# Altium PCB AutoinformerPCB.PcbDoc (part 1 of 2) (continued)
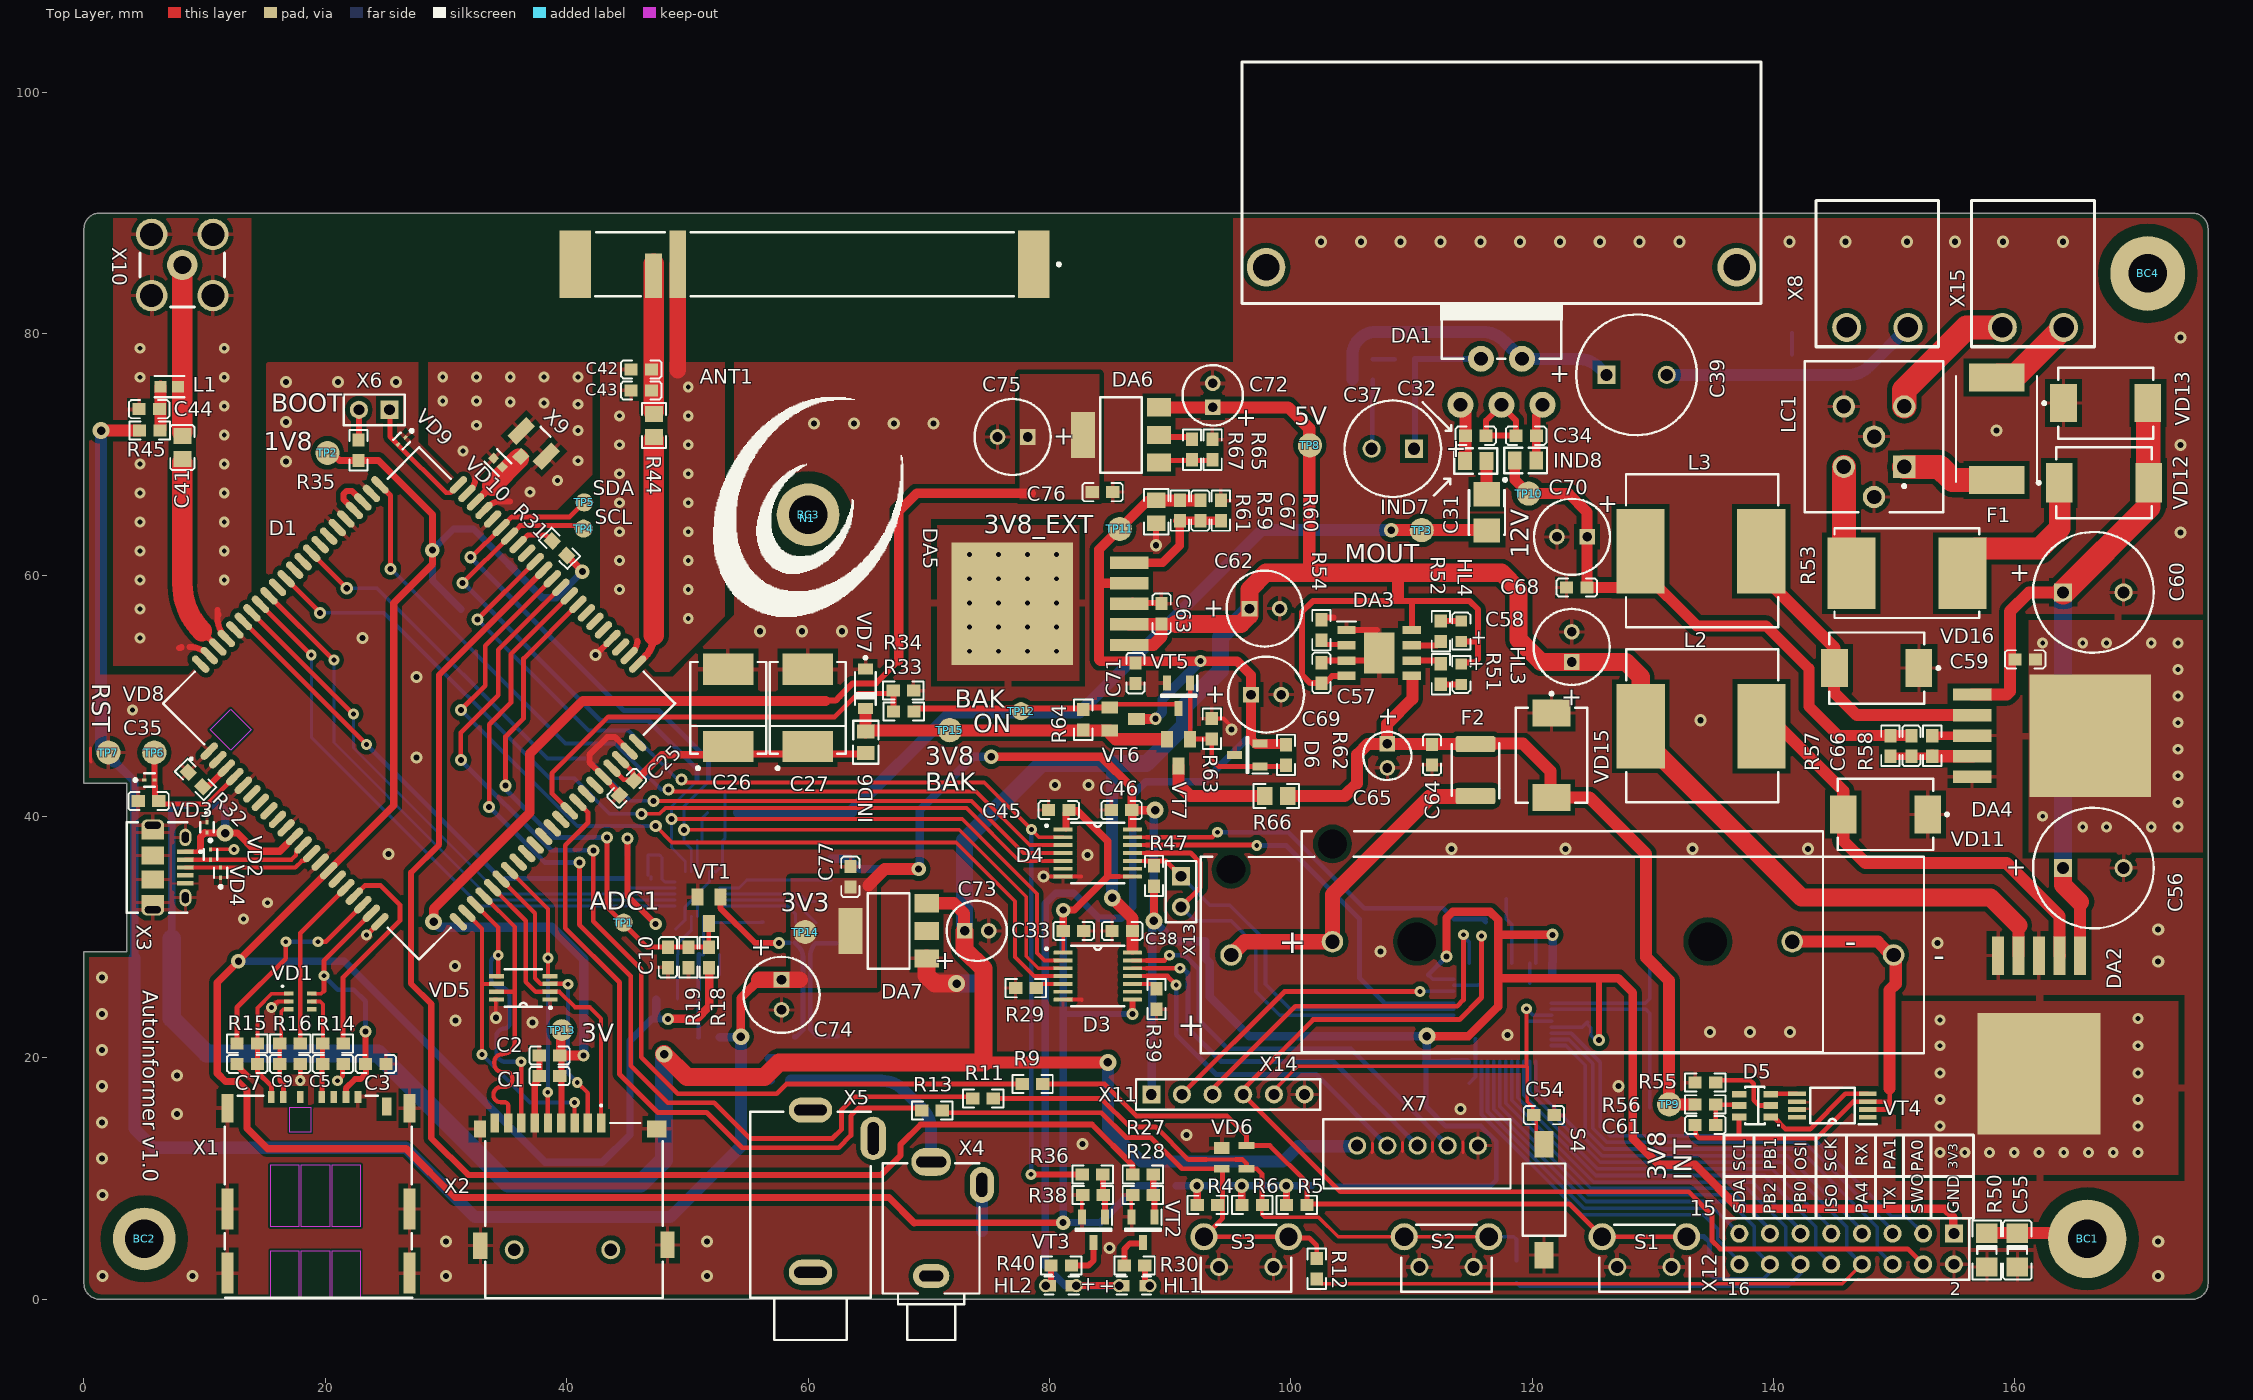
[diagram p0: Top Layer view]
## Part data (continued)
DA3: "Li-lon Battery Charger  1A Standalone Linear with Thermal Regulation in SOP-8", Manufacturer_Name="NanJing Top Power", ComponentLink1Description=elitan, ComponentLink1URL=https://www.elitan.ru/price/item26170288, ComponentLink2Description=electonshik, ComponentLink2URL=https://www.electronshik.ru/item/YOUTAI/TP4056, Datasheet Link=https://dlnmh9ip6v2uc.cloudfront.net/datasheets/Prototyping/TP4056.pdf, Height=1.75mm, Manufacturer_Part_Number=TP4056
DA4: library part LM2596S, "SIMPLE SWITCHER&#174; 4.5V to 40V, 3A Low Component Count Step-Down Regulator", ComponentLink1Description=chipdip, ComponentLink1URL=https://www.chipdip.ru/product/lm2596s-adj-nopb, ComponentLink2Description=elitan, ComponentLink2URL=https://www.elitan.ru/price/item100231
DA5: "3A Fast Response LDO Regulator / Operating Input Voltage Range: 3V to 16V / 1.24V to 15V Adjustable Output Voltage", ComponentLink1Description=elitan, ComponentLink1URL=https://www.elitan.ru/price/item637427, ComponentLink2Description=chipdip, ComponentLink2URL=https://www.chipdip.ru/product0/8000649332, ComponentLink3Description=electronshik, ComponentLink3URL=https://www.electronshik.ru/item/MCRCH/MIC29302WU
DA6: "LDO +1.25...13.8 В, 1А [SOT-223] / Линейный регулятор с низким падением напряжения, Максимальное входное напряжение, 20 В", ComponentLink1Description=chipdip, ComponentLink1URL=https://www.chipdip.ru/product/lm1117gs-adj, ComponentLink2Description=elitan, ComponentLink2URL=https://www.elitan.ru/price/item21580115
DA7: "LDO +3.3 В, 1А [SOT-223] / Линейный регулятор с низким падением напряжения, Максимальное входное напряжение, 20 В", ComponentLink1Description=chipdip, ComponentLink1URL=https://www.chipdip.ru/product/lm1117gs-3.3, ComponentLink2Description=elitan, ComponentLink2URL=https://www.elitan.ru/price/item21580113
DD1: "Analog - STM32L071C8T6 /  / Микроконтроллер 32-Бит, Cortex-M3, 32МГц, 128КБ Flash, LCD, USB, ADC, DAC [LQFP-48]", I/Os (High Current)=37, Operating Frequency(F) (Processor speed) (MHz)=72, PartNumber=STM32F103C8T6, Supplier Part Number 1=497-6063-ND, Supply Voltage(Vcc) min (V)=2, A/D Converter="2x12-bit (10 Channel)", ComponentLink1Description=elitan, ComponentLink1URL=https://www.elitan.ru/price/item11268663, ComponentLink2Description=chipdip, ComponentLink2URL=https://www.chipdip.ru/product/stm32l151cbt6a-2, Core="ARM Cortex-M3", DatasheetVersion="Rev. 16", FLASH Size (Prog) (kB)=64, Internal RAM Size (kB)=20, Mounting Technology="Surface Mount", PackageDescription="48-Pin Low Profile Quad Flat Package, 7 x 7 mm Body, 0.5 mm Pitch", PackageReference=LQFP48, PackageVersion="Rev. 6, 06/2013", Packing=Tray, Supplier 1=Digi-Key, Supplier 2=Farnell, Supplier 3=Newark, Supplier 4=Newark, Supplier 5=Mouser, Supplier Part Number 2=1447637, Supplier Part Number 3=59M2182, Supplier Part Number 4=57P1222, Supplier Part Number 5=511-STM32F103C8T6
F1: "Самовосстанавливающийся предохранитель PTC 1.8A(hold) 3.6A(trip) 33VDC 40A 1.9W 5s 0.04Ohm SMD 3425 Solder Pad 9.5 X 6.71 X 3mm", ComponentLink1Description=elitan, ComponentLink1URL=https://www.elitan.ru/price/item781521, ComponentLink2Description=chipdip, ComponentLink2URL=https://www.chipdip.ru/product0/8001787493?from=suggest_product
F2: "Предохранитель SMD 6 VDC 2.5 A", ComponentLink1Description=elitan, ComponentLink1URL=https://www.elitan.ru/price/item387111
HL1 HL2 HL3 HL4: library part LED_SMD, "Vf =2 V, 20mA, 0603 /  / TO-1608BC-BF \  TO-1608BC-MRE"
  HL1: ComponentLink1Description=chipdip-yellow-smd, ComponentLink1URL=https://www.chipdip.ru/product/to-1608bc-myf?from=suggest_product, ComponentLink2Description=chipdip-orange-thr3mm, ComponentLink2URL=https://www.chipdip.ru/product/gnl-3012ed
  HL2: ComponentLink1Description=chipdip-red-smd, ComponentLink1URL=https://www.chipdip.ru/product/to-1608bc-mre?from=suggest_product, ComponentLink2Description=elitan-red-smd, ComponentLink2URL=https://www.elitan.ru/price/item16986056, ComponentLink3Description=chipdip-orange-thr3mm, ComponentLink3URL=https://www.chipdip.ru/product/gnl-3012ed
  HL3: ComponentLink1Description=chipdip-green-smd, ComponentLink1URL=https://www.chipdip.ru/product/to-1608bc-pg?from=suggest_product, ComponentLink2Description=elitan-green-smd, ComponentLink2URL=https://www.elitan.ru/price/item16986058
  HL4: ComponentLink1Description=chipdip-blue-smd, ComponentLink1URL=https://www.chipdip.ru/product/to-1608bc-bf?from=suggest_product, ComponentLink2Description=elitan-blue-smd, ComponentLink2URL=https://www.elitan.ru/price/item16986057
IND1: library part BLM21PG221SN1D, "0805, Дроссель подавления ЭМП 120Ohm 25% 100MHz 3A", ComponentLink1Description=120Ohm-3A-chipdip, ComponentLink1URL=https://www.chipdip.ru/product0/8228217893, ComponentLink2Description=120Ohm-3A-elitan, ComponentLink2URL=https://www.elitan.ru/price/item1364359
IND2 IND3 IND4 IND8: library part BLM21PG221SN1D, "0805, Дроссель подавления ЭМП 1KOhm 25% 100MHz 1.6A 0.12Ohm", ComponentLink1Description=chipdip, ComponentLink1URL=https://www.chipdip.ru/product/blm21sp102sn1d, ComponentLink2Description=elitan, ComponentLink2URL=https://www.elitan.ru/price/item21298136
IND5 IND7: "0805, Дроссель подавления ЭМП 220Ohm +25% 100MHz 2A 45mOhm", ComponentLink1Description=chipdip, ComponentLink1URL=https://www.chipdip.ru/product/blm21pg221sn1d, ComponentLink2Description=elitan, ComponentLink2URL=https://www.elitan.ru/price/item305175
IND6: library part BLM21PG221SN1D, "0805, Дроссель подавления ЭМП 100МГц:30Ом; 3А", ComponentLink1Description=chipdip, ComponentLink1URL=https://www.chipdip.ru/product/blm21pg300sn1d, ComponentLink2Description=elitan, ComponentLink2URL=https://www.elitan.ru/price/item310735
L1: "Чип индуктивность многослойная неэкранированная 47нГн 5% 100МГц / Maximum DC Current 300 mA / Maximum DC Resistance 700 mOhms", ComponentLink1Description=elitan, ComponentLink1URL=https://www.elitan.ru/price/item307313, ComponentLink2Description=chipdip, ComponentLink2URL=https://www.chipdip.ru/product/lqg18hn47nj?from=suggest_product
L2: "SMD индуктивность проволочная, на ферритовом сердечнике, экранированная 33uH 15% 1KHz 23Q-Factor Ferrite 2.8A 62mOhm", ComponentLink1Description=chipdip, ComponentLink1URL=https://www.chipdip.ru/product/srr1208-330yl?from=suggest_product, ComponentLink2Description=elitan, ComponentLink2URL=https://www.elitan.ru/price/item319349
L3: library part SRR1208-330YL, "SMD индуктивность проволочная, на ферритовом сердечнике, экранированная 33uH 15% 1KHz 23Q-Factor Ferrite 2.8A 62mOhm", ComponentLink1Description=chipdip, ComponentLink1URL=https://www.chipdip.ru/product/srr1208-330yl?from=suggest_product, ComponentLink2Description=elitan, ComponentLink2URL=https://www.elitan.ru/price/item319349, ComponentLink3Description=22uH-elitan, ComponentLink3URL=https://www.elitan.ru/price/item437369
LC1: "EMI фильтр индуктивно-емкостной 10A 150VDC 40дБ", ComponentLink1Description=elitan, ComponentLink1URL=https://www.elitan.ru/price/item279156, ComponentLink2Description=chipdip, ComponentLink2URL=https://www.chipdip.ru/product/bnx003-01?from=suggest_product
N1: "Print on PCB mask"
R1 R2 R3 R4 R5 R6 R7 R8 R9 R10 R11 R12 R13 R14 R15 R16 R17 R18 R19 R20 R21 R25 R26 R27 R28 R29 R30 R31 R32 R34 R35 R36 R37 R38 R39 R40 R41 R42 R43 R45 R46 R47 R48 R49 R51 R52 R55 R56 R62 R63 R64: library part R_SMD, "0603 SMD Resistor"
  R1 R2 R7 R8 R9 R10 R11 R12 R13 R25 R32: ComponentLink1Description=chipdip, ComponentLink1URL=https://www.chipdip.ru/product0/9000070541
  R3: ComponentLink1Description=chipdip, ComponentLink1URL=https://www.chipdip.ru/product0/9000079612
  R4 R5 R6 R27 R28 R31 R35 R36 R38 R46 R47 R48 R49: ComponentLink1Description=chipdip, ComponentLink1URL=https://www.chipdip.ru/product0/9000079736
  R14 R15 R16: ComponentLink1Description=chipdip, ComponentLink1URL=https://www.chipdip.ru/product0/9000079564
  R17 R20 R21 R26: ComponentLink1Description=chipdip, ComponentLink1URL=https://www.chipdip.ru/product0/9000079720
  R18 R19 R55: ComponentLink1Description=chipdip, ComponentLink1URL=https://www.chipdip.ru/product0/9000079676
  R29 R39: ComponentLink1Description=chipdip, ComponentLink1URL=https://www.chipdip.ru/product0/9000079752
  R30 R40 R52: ComponentLink1Description=chipdip, ComponentLink1URL=https://www.chipdip.ru/product0/9000079629
  R34: ComponentLink1Description=chipdip, ComponentLink1URL=https://www.chipdip.ru/product0/9000079716
  R37: ComponentLink1Description=chipdip, ComponentLink1URL=https://www.chipdip.ru/product0/9000079606
  R41: ComponentLink1Description=chipdip, ComponentLink1URL=https://www.chipdip.ru/product0/9000079624
  R42: ComponentLink1Description=chipdip, ComponentLink1URL=https://www.chipdip.ru/product0/9000079549
  R43: ComponentLink1Description=chipdip, ComponentLink1URL=https://www.chipdip.ru/product0/9000079509
  R45: ComponentLink1Description=chipdip, ComponentLink1URL=https://www.chipdip.ru/product0/9000079557
  R51: ComponentLink1Description=chipdip, ComponentLink1URL=https://www.chipdip.ru/product0/9000079667
  R56: ComponentLink1Description=chipdip, ComponentLink1URL=https://www.chipdip.ru/product0/9000079616
  R63 R64: ComponentLink1Description=chipdip, ComponentLink1URL=https://www.chipdip.ru/product0/9000079760
R22 R23 R24 R44 R61: library part R_SMD, "0805 SMD Resistor", ComponentLink1Description=chipdip
  R22 R23 R24 R44: ComponentLink1URL=https://www.chipdip.ru/product0/153356071
  R61: ComponentLink1URL=https://www.chipdip.ru/product0/9000079478
R33 R54 R57 R58 R59 R60 R65 R67: library part R_SMD, "0603 SMD Resistor 1%", ComponentLink1Description=chipdip
  R33: ComponentLink1URL=https://www.chipdip.ru/product0/9000079720
  R54: ComponentLink1URL=https://www.chipdip.ru/product0/9000079678
  R57: ComponentLink1URL=https://www.chipdip.ru/product0/9000079726
  R58 R67: ComponentLink1URL=https://www.chipdip.ru/product0/9000079676
  R59: ComponentLink1URL=https://www.chipdip.ru/product0/9000079760
  R60: ComponentLink1URL=https://www.chipdip.ru/product0/9000079752
  R65: ComponentLink1URL=https://www.chipdip.ru/product0/9000079679
R50: library part R_SMD, "1206 SMD Resistor", ComponentLink1Description=chipdip, ComponentLink1URL=https://www.chipdip.ru/product0/690816980
R53: "SMD чип резистор, с проволочной обмоткой, 4527, 2 Ом, Серия WSC, 2 Вт", ComponentLink1Description=chipdip, ComponentLink1URL=https://www.chipdip.ru/product/wsc45272r000fea?from=suggest_product, ComponentLink2Description=elitan, ComponentLink2URL=https://www.elitan.ru/price/item572273
R66: library part R_SMD, "0805 SMD Resistor 1%", ComponentLink1Description=elitan, ComponentLink1URL=https://www.elitan.ru/price/item503786
S1 S2 S3: library part KLS7-TS6606-8-180, "6x6 Tact Switch Series", ComponentLink1Description=kls7-ts6606-7.0_chipdip, ComponentLink1URL=https://www.chipdip.ru/product/kls7-ts6606-7.0-180-tc-0206, ComponentLink2Description=elitan-7.0, ComponentLink2URL=https://www.elitan.ru/price/item22675038
S4: "SMD button", ComponentLink1Description=chipdip, ComponentLink1URL=https://www.chipdip.ru/product/tyco-1437566-3-fsmsm?from=suggest_product, ComponentLink2Description=elitan, ComponentLink2URL=https://www.elitan.ru/price/item565583
TP1 TP2 TP3 TP4 TP5 TP6 TP7 TP8 TP9 TP10 TP11 TP12 TP13 TP14 TP15: "Test point for PCB"
VD1: "12.5V Clamp 8A _8/20µs_ Ipp Tvs Diode Surface Mount SC-88/SC70-6/SOT-363", Package="SOT-363 ON Semiconductor", Availability=Unavailable, ComponentLink1Description=elitan, ComponentLink1URL=https://www.elitan.ru/price/item10155001, ComponentLink2Description=chipdip, ComponentLink2URL=https://www.chipdip.ru/product/smf05ct1g?from=suggest_product, MF="ON Semiconductor", MP=SMF05C, Price=None, SnapEDA_Link=https://www.snapeda.com/parts/SMF05C/ON%20Semiconductor/view-part/2782704/?ref=snap
VD2 VD3 VD4: "TVS диод защитный 5В_пиковое_рабочее 9.8В_ограничение SOD923", ComponentLink1Description=elitan, ComponentLink1URL=https://www.elitan.ru/price/index.php?find=ESD9L5.0ST5G&delay=-1&mfg=all&seenform=y, ComponentLink2Description=chipdip, ComponentLink2URL=https://www.chipdip.ru/product0/8001926257
VD5: "TVS Diode-6 Clamping Voltage Vc Max:8V; MSOP8, Operating Voltage:5.5V;", ComponentLink1Description=elitan, ComponentLink1URL=https://www.elitan.ru/price/item559579, ComponentLink2Description=chipdip, ComponentLink2URL=https://www.chipdip.ru/product0/8004936449
VD6: "TVS Diode-3 Рабочее напряжение 5.5 В / Максимальное напряжение фиксации 8.5 в", ComponentLink1Description=chipdip, ComponentLink1URL=https://www.chipdip.ru/product/sp0503bahtg, ComponentLink2Description=elitan, ComponentLink2URL=https://www.elitan.ru/price/item393293
VD7: "Стабилитрон 5.1В, 5%, 0.5Вт, [SOD-123]", ComponentLink1Description=chipdip, ComponentLink1URL=https://www.chipdip.ru/product/mmsz5231b-tp?from=suggest_product, ComponentLink2Description=elitan, ComponentLink2URL=https://www.elitan.ru/price/item685173
VD8 VD9: library part ESD9L5.0ST5G, "TVS диод защитный 5В_пиковое_рабочее 9.8В_ограничение SOD923", ComponentLink1Description=elitan, ComponentLink1URL=https://www.elitan.ru/price/item1205491, ComponentLink2Description=chipdip, ComponentLink2URL=https://www.chipdip.ru/product1/8002974897?from=suggest_product
VD10: "TVS диоды Подавители ЭСР / диоды для подавления переходных скачков напряжения ESD Protection Device", ComponentLink1Description=chipdip, ComponentLink1URL=https://www.chipdip.ru/product0/8001818635?from=suggest_product, ComponentLink2Description=elitan, ComponentLink2URL=https://www.elitan.ru/price/item11962267
VD11 VD16: "Schottky; DO-214AB; 3.0A IF; 0.75V; 60V; 100A IFRM; 10000V/us; 1000pF", ComponentLink1Description=elitan, ComponentLink1URL=https://www.elitan.ru/price/item15648528, ComponentLink2Description=chipdip, ComponentLink2URL=https://www.chipdip.ru/product/ss36-e3-57t-2?from=suggest_product
VD12: "Диод Шоттки 5A 100V (SMC)", ComponentLink1Description=chipdip, ComponentLink1URL=https://www.chipdip.ru/product0/8002382677?from=suggest_product, ComponentLink2Description=elitan, ComponentLink2URL=https://www.elitan.ru/price/item24826922
VD13: "TVS Diode Bi-Directional SM15T39CA 69.7V, 1500W, SMC 2-Pin", ComponentLink1Description=chipdip, ComponentLink1URL=https://www.chipdip.ru/product/sm15t39ca?from=suggest_product, ComponentLink2Description=elitan, ComponentLink2URL=https://www.elitan.ru/price/item636974
VD14: "Диод Шоттки 3А 10В [SOD-323]", ComponentLink1Description=chipdip, ComponentLink1URL=https://www.chipdip.ru/product/bat60a?from=suggest_product, ComponentLink2Description=elitan, ComponentLink2URL=https://www.elitan.ru/price/item9533309
VD15: "Schottky; DO-214AB; 3.0A IF; 0.75V; 40V; 100A IFRM; 10000V/us; 1000pF", ComponentLink1Description=chipdip, ComponentLink1URL=https://www.chipdip.ru/product/ss34-5, ComponentLink2Description=elitan, ComponentLink2URL=https://www.elitan.ru/price/item9505516
VT1: "N-Channel MOSFET 60В 0.115А [SOT-23]", ComponentLink1Description=chipdip, ComponentLink1URL=https://www.chipdip.ru/product/2n7002-tp-reel-3000, ComponentLink2Description=elitan, ComponentLink2URL=https://www.elitan.ru/price/item484309
VT2 VT3: "Transistor, Npn, 0.1A, 50V, Vbe = 0.7V, hfe = 240 [ SOT23 ]", ComponentLink1Description=chipdip, ComponentLink1URL=https://www.chipdip.ru/product/bc850b?from=suggest_product, ComponentLink2Description=elitan, ComponentLink2URL=https://www.elitan.ru/price/item5642305
VT4: "20V 6A DUAL N-Channel MOSFET Transistor", Manufacturer_Name="SII Semiconductor", ComponentLink1Description=elitan, ComponentLink1URL=https://www.elitan.ru/price/item13487239, ComponentLink2Description=electronshik, ComponentLink2URL=https://www.electronshik.ru/item/FUXIN/FS8205A, Datasheet Link=http://www.ic-fortune.com/upload/Download/FS8205A-DS-12_EN.pdf, Height=1.2mm, Manufacturer_Part_Number=FS8205A
VT5: "MOSFET, N-канал, 0.2А, 50В, [SOT-23]", ComponentLink1Description=chipdip, ComponentLink1URL=https://www.chipdip.ru/product/bss138-7-f-diodes?from=suggest_product, ComponentLink2Description=elitan, ComponentLink2URL=https://www.elitan.ru/price/item305174
VT6 VT7: "P-Channel 20V 3.7A _Ta_ 1.3W _Ta_ Surface Mount/SOT-23", Package="SC-59 Infineon Technologies", Availability=Unavailable, ComponentLink1Description=chipdip, ComponentLink1URL=https://www.chipdip.ru/product/irlml6402tr?from=suggest_product, ComponentLink2Description=elitan, ComponentLink2URL=https://www.elitan.ru/price/item13518502, MF="Infineon Technologies", MP=IRLML6402, Price=None, SnapEDA_Link=https://www.snapeda.com/parts/IRLML6402/Infineon%20Technologies/view-part/2522811/?ref=snap
X1: library part microSIM_Holder_5039600696, "Соединители для карт памяти 1mm microSIM Push Push SMT", ComponentLink1Description=elitan, ComponentLink1URL=https://www.elitan.ru/price/item12310026
X2: library part microSD_112J-TDAR-R, "Разъем: для карт памяти; SD Micro; push-push; SMT; позолота", Manufacturer_Name=ATTEND, ComponentLink1Description=chipdir, ComponentLink1URL=https://www.chipdip.ru/product0/8002703228, ComponentLink2Description=elitan, ComponentLink2URL=https://www.elitan.ru/price/item10898530, Datasheet Link=https://sds.compel.ru/item-pdf/04106748b1d2c9285eaa335c34b51c16/ps/attend~112j-tdar-r.pdf, Height=1mm, Manufacturer_Part_Number=112J-TDAR-R
X3: library part microUSB_1050170001, "USB - micro B USB 2.0 Receptacle Connector 5 Position Surface Mount, Right Angle; Through Hole", Package=None, ComponentLink1Description=elitan, ComponentLink1URL=https://www.elitan.ru/price/item5116026, ComponentLink2Description=chipdip, ComponentLink2URL=https://www.chipdip.ru/product/105017-0001-molex?utm_source=google&utm_medium=cpc&position_type={position_type}|k50id|pla-293946777986|cid|11945324864|aid|488785225626|gid|115765259517&utm_campaign=G_tovarnieobjavlenija&utm_content=text1_ga&utm_term=, Digi-Key_Part_Number=WM1399CT-ND, Digi-Key_Purchase_URL=https://www.digikey.com/product-detail/en/molex/1050170001/WM1399CT-ND/2350885?utm_source=snapeda&utm_medium=aggregator&utm_campaign=symbol, MF=Molex, MP=1050170001, SnapEDA_Link=https://www.snapeda.com/parts/1050170001/Molex/view-part/2755530/?ref=snap
X4: library part "microJACK PY-401N", "Гнездо моно 2.5мм", ComponentLink1Description=elitan, ComponentLink1URL=https://www.elitan.ru/price/index.php?find=PY-401N&delay=-1&mfg=all&seenform=y, ComponentLink2Description=chipdip, ComponentLink2URL=https://www.chipdip.ru/product/py-401n
X5: library part "miniJACK PY-601N", "Аудио гнездо (М) 3.5мм", ComponentLink1Description=chipdip, ComponentLink1URL=https://www.chipdip.ru/product/py-601n?from=suggest_product, ComponentLink2Description=elitan, ComponentLink2URL=https://www.elitan.ru/price/index.php?find=PY-601N&delay=-1&mfg=all&seenform=y
X6 X13: "Вилка штыревая 2.54мм 1x2 прямая PLS-2", ComponentLink1Description=chipdip, ComponentLink1URL=https://www.chipdip.ru/product/pls-2, ComponentLink2Description=elitan, ComponentLink2URL=https://www.elitan.ru/price/item10669650
X7: "Вилка Dip прямая\угловая, шаг 2.50мм Номинальный ток: 3А АС, DC Max", ComponentLink1Description=chipdip, ComponentLink1URL=https://www.chipdip.ru/product/cwf-5?from=suggest_product, ComponentLink2Description=elitan, ComponentLink2URL=https://www.elitan.ru/price/item11496029
X8 X15: "Клеммник разъемный угловой 2 конт., шаг 5.08 мм / (KLS2-EDR-5.08-02P-4) / 2EDGK-5.08-02P - ответная часть", ComponentLink1Description=chipdip, ComponentLink1URL=https://www.chipdip.ru/product/kls2-edr-5.08-02p-4-2edgr-5.08-02p, ComponentLink2Description=elitan, ComponentLink2URL=https://www.elitan.ru/price/item21239767, ComponentLink3Description=ответная-часть, ComponentLink3URL=https://www.elitan.ru/price/item130957, ComponentLink4Description=на-кабель, ComponentLink4URL=https://www.chipdip.ru/product/kls2-edk-5.08-02p-4s-2esdv-02p?from=suggest_product
X9: "Разъем РЧ / 50 Ом Коаксиальный, UFL Коаксиальный, Прямое Гнездо, Вертикальный Поверхностный Монтаж SMT", ComponentLink1Description=elitan, ComponentLink1URL=https://www.elitan.ru/price/item1203541, ComponentLink2Description=chipdip, ComponentLink2URL=https://www.chipdip.ru/product0/9000586248?from=suggest_product
X10: library part SMA-connector, "Разъем угловой SMA гнездо на плату 50 Ом", ComponentLink1Description=platan-KLS1-SMA002-B, ComponentLink1URL=https://www.platan.ru/cgi-bin/qwery.pl/id=356964102, ComponentLink2Description=elitan-KLS1-SMA002, ComponentLink2URL=https://www.elitan.ru/price/item9893558
X11: "Вилка штыревая 2.54мм 1x6 прямая тип1 / (PLS-6)", ComponentLink1Description=chipdip, ComponentLink1URL=https://www.chipdip.ru/product/pls-6, ComponentLink2Description=elitan, ComponentLink2URL=https://www.elitan.ru/price/item20933988
X12: "Вилка штыревая 2.54мм 2х8 прямая PLD-16", ComponentLink1Description=chipdip, ComponentLink1URL=https://www.chipdip.ru/product/pld-16, ComponentLink2Description=elitan, ComponentLink2URL=https://www.elitan.ru/price/item14835380
X14: library part "Combo Battery Holder", "16340 2/3A [14500 AA] Battery Holder", ComponentLink1Description=keystone1029-elitan, ComponentLink1URL=https://www.elitan.ru/price/item468733, ComponentLink2Description=keystone1028-elitan, ComponentLink2URL=https://www.elitan.ru/price/item535632, ComponentLink3Description=batteryholders, ComponentLink3URL=https://www.batteryholders.com/search.php?cat=Battery+Holder&num=&type=CR123A&term=&override=16340
Y1: library part HC49SM, "8 MHz resonator", ComponentLink1Description=8MHz-chipdip, ComponentLink1URL=https://www.chipdip.ru/product/8mhz-hc-49sm, ComponentLink2Description=8MHz-elitan, ComponentLink2URL=https://www.elitan.ru/price/item2093968

## Via types
v1: diameter 0.9, hole 0.4, Top Layer to Bottom Layer, tented both sides, 119 vias
v2: diameter 1, hole 0.5, Top Layer to Bottom Layer, tented both sides, 114 vias
v3: diameter 1.4, hole 0.7, Top Layer to Bottom Layer, tented both sides, 11 vias
v4: diameter 1.2, hole 0.6, Top Layer to Bottom Layer, tented both sides, 11 vias

## Nets (pads, with @x,y where several pads share a name; then routed paths per layer and width w, separated by ;. In a path a pad name is that pad's centre, name@x,y a point inside that pad or via, vN(x,y) a via of type N, cw(c..) or ccw(c..) an arc to the next point about the centre after c; other vN are vias at no path point)
1V8: C33.1 C45.1 D1.15 D3.1 D3.8 D4.1 D4.8 IND3.1 R1.2 R18.1 R20.2 R21.2 R31.2 R35.1 TP2.1 | length 286.8
  Top Layer w0.3: v2@86.87,23.655 v2(86.875,23.65)
  Top Layer w0.32: D3.1@81.14,28.725 C33.1@81.14,30.515 ; 85.8,35.025 D4.8@86.87,35.025
  Top Layer w0.4: 84.825,35.025 85.8,35.025
  Top Layer w0.5: D3.8@86.87,24.725 v2(86.875,23.65)
  Top Layer w0.6: TP2.1@20.175,70.125 20.554,70.125 21.179,69.5 R35.1@22.75,69.5 24.4,69.5 28.873,65.027 v4(28.873,62.078) 28.873,60.898 25.675,57.7 25.675,40.916 D1.15@20.278,35.518 12.8,28.041 v4(12.8,28) 11.05,26.25 11.05,18.725 11.725,18.05 12.75,18.05 13.5,17.3 13.5,14.175 15.2,12.475 26.7,12.475 30.75,8.425 66.7,8.425 68.8,6.325 v4(81.125,6.35) ; R31.2@40.001,61.624 41.3,60.325 v4(41.3,60.3) ; C33.1@81.105,30.525 C33.1@81.125,30.545 ; C33.1@81.14,30.515 C33.1@81.15,30.525 v4(81.15,32.25) 82.05,32.25 84.825,35.025 84.825,37.95 82.3,40.475 81.578,40.475 81.378,40.275 D4.1@81.378,39.075
  Top Layer w0.7: v2(48.4,23.225) 50.775,23.225 51.8,24.25 51.8,27.45 R18.1@51.775,27.475
  Bottom Layer w0.5: 81.15,23.65 v2(86.875,23.65)
  Bottom Layer w0.6: v4(12.8,28) 21.575,28 38.225,11.35 42.95,11.35 45.237,13.637 45.237,21.412 47.05,23.225 v2(48.4,23.225) ; R20.2@31.249,57.174 28.873,59.55 v4(28.873,62.078) 30.62,63.825 32.277,63.825 37.977,58.125 39.125,58.125 v4(41.3,60.3) ; v4(81.125,6.35) v4@81.15,6.35 ; v4@81.15,6.325 v4@81.15,6.35 ; v4(81.15,32.25) 81.15,23.65 v4@81.15,6.35 ; R1.2@88.8,9.4 87.289,9.405 84.206,6.34 v4@81.15,6.35
  Bottom Layer w0.7: IND3.1@47.4,24.79 47.41,24.8 47.425,24.785 47.425,23.5
3V: C1.2 C2.2 C75.1 C76.1 DA6.2 DA6.4 R67.2 TP13.1 X2.4 | length 109.4
  Top Layer w0.25: 39.45,19.3 39.55,19.4
  Top Layer w0.5: X2.4@39.55,14.7 C2.2@39.55,20.2 ; 61.475,49.6 62.275,49.6 62.625,49.95 63.7,51.025 65.625,51.025 67.525,52.925 ; DA6.2@89.262,71.438 91.637,71.438 R67.2@91.825,71.25
  Top Layer w0.8: v3(28.975,31.275) 28.975,32.35 36.95,40.325 36.95,45.206 41.319,49.575 61.475,49.575 ; C2.2@39.425,20.2 39.513,20.288 39.513,22.213 TP13.1@39.6,22.3 ; C2.2@39.45,20.3 39.35,20.2 39.3,20.2 39.55,20.2 v2(41.4,20.2) ; 67.525,52.925 67.525,65.3 69,66.775 78.475,66.775
  Bottom Layer w0.8: v3(28.975,31.275) 29.425,30.825 38.75,30.825 41.4,28.175 v2(41.4,20.2)
3V3: C46.2 C47.1 C48.1 C49.1 C52.1 C53.1 C74.1 C77.1 D4.14 DA7.2 DA7.4 DD1.1 DD1.9 DD1.24 DD1.36 DD1.48 IND2.1 IND4.1 R7.1 R45.2 R46.1 R47.1 TP14.1 X11.1 X12.1 | length 372.4
  Top Layer w0.3: 125.525,26.6 125.525,26.65
  Top Layer w0.5: v2(125.525,21.475) 125.525,26.6
  Top Layer w0.7: v3(54.425,21.75) 54.425,24.95 55.95,26.475 ; v4(75.175,44.95) 84.275,44.95 86.825,42.4 C46.2@86.825,40.525 C46.2@86.848,40.502 ; 86.848,39.125 C46.2@86.848,40.502 ; C46.2@86.975,40.375 C46.2@86.875,40.475 ; v3(88.65,31.35) 88.662,31.362 88.662,34.062 R47.1@88.675,34.075 ; v3(88.75,40.525) 86.975,40.525 86.95,40.55 C46.2@86.875,40.475 ; v3(111.275,21.8) 114.725,21.8 117.175,24.25 117.175,31.45 116.525,32.1 113.4,32.1 112.9,31.6 v2(112.9,28.4) ; 117.2,26.6 125.525,26.6 127.15,26.6 128.35,25.4 128.35,13.3 130.525,11.125 133.525,11.125 137.15,7.5 154.2,7.5 154.9,6.8 154.9,5.48 X12.1@154.7,5.68 ; 117.2,30.2 v2(121.7,30.2) ; C46.2@86.848,40.502 C46.2@86.875,40.475
  Top Layer w1: v3(1.425,71.975) R45.2@4.6,71.975 ; 65,34.3 66.35,35.65 v4(69.15,35.65)
  Top Layer w1.4: 55.95,26.475 C74.1@57.8,26.475 59.275,26.475
  Bottom Layer w0.3: C48.1@111.4,26.875 111.75,26.525 DD1.36@113.5,26.525 ; DD1.48@120.3,27.825 C47.1@120.3,30.175 ; DD1.9@121.6,22.525 124.125,22.525 124.55,22.95 C53.1@124.6,22.95 ; C53.1@124.475,22.875 124.85,22.5 124.85,21.875 125.25,21.475 v2(125.525,21.475)
  Bottom Layer w0.4: R7.1@103.4,9.4 116.55,9.4 117.025,9.875 117.025,13.075 115.75,14.35 112.85,14.35 111.2,16 111.2,19.575 ; C48.1@111.4,26.875 111.4,26.9 v2(112.9,28.4)
  Bottom Layer w0.7: 2.5,44.575 4.175,42.9 4.175,28.275 ; IND2.1@52.69,21.7 52.715,21.725 v3@54.4,21.725 ; IND4.1@61.9,36.49 63.435,36.49 64.275,35.65 v4(69.15,35.65) ; v4@69.262,35.6 69.262,40.537 73.675,44.95 v4(75.175,44.95) ; X11.1@88.415,16.975 88.428,16.988 88.481,17.041 88.516,30.066 88.516,31.216 v3(88.65,31.35) ; v3(88.75,40.525) 88.65,40.425 v3(88.65,31.35) ; R46.1@92.925,29.65 92.9,29.625 92.9,28.275 93.3,27.875 93.3,25.05 96.55,21.8 v3(111.275,21.8) 111.275,20.065 ; R46.1@92.925,29.675 90.325,29.675 v3(88.65,31.35) ; 111.257,20.048 111.275,20.065 ; 114.6,19.637 113.387,19.637 C52.1@113.3,19.55 113.275,19.575 111.2,19.575 111.275,19.65 111.275,20.065 ; C47.1@120.325,30.175 120.35,30.2 v2(121.7,30.2) C49.1@121.7,27.95 121.65,27.9 121.65,26.725
  Bottom Layer w1: v3(1.425,71.975) 1.425,45.65 2.5,44.575 ; 4.175,28.275 4.175,14.15 5.775,12.55 10.353,12.55 10.378,12.525 11.372,12.525 11.397,12.55 26.65,12.55 32.4,6.8 48.575,6.8 54.425,12.65 54.425,21.7 v3@54.4,21.725
3V8_BAK: IND6.2 R64.1 TP15.1 VD7.C VT6.2 VT7.2 | length 27.4
  Top Layer w1: VD7.C@64.75,48.825 64.763,48.812 64.763,46.988 64.775,46.975 64.795,46.995 64.795,47.025 IND6.2@64.775,47.025 ; IND6.2@64.775,47.125 71.75,47.125 82.8,47.125 VT6.2@85,47.125 85,46.875 85.475,46.4 VT7.2@89.75,46.4
3V8_EXT: C67.1 C69.1 C71.1 D6.2 DA5.4 HL1.1 HL2.1 R59.2 R61.2 R62.2 TP11.1 VT6.3 | length 125.9
  Top Layer w0.6: HL2.1@81.8,1.125 81.813,1.138 HL1.1@86.175,1.138 ; HL1.1@86.175,1.15 HL1.1@86.2,1.125
  Top Layer w0.8: 84.1,59.325 DA5.4@86.611,59.325 ; C71.1@87.125,52.875 84.2,52.875 84.1,52.975 84.1,58.95 84.1,62.125 88.125,66.15 88.75,66.15 R61.2@88.9,66 ; VT6.3@87.2,48.075 v2@88.8,48.075 ; C71.1@87.275,52.8 87.35,52.875 95.55,52.875 96.7,51.725 96.7,46.4 97.095,46.005 99.545,46.005 R62.2@99.6,45.95 ; R61.2@88.9,66.2 R61.2@89.1,66.2
  Top Layer w1: R61.2@89.1,66.2 C67.1@92.4,66.2
  Bottom Layer w0.6: HL1.1@85.78,1.125 81.3,1.125 79.65,2.775 79.65,32.8 80.5,33.65 82.025,33.65 84.1,31.575 85.975,31.575 86.9,32.5 86.9,41.8 87.975,42.875 92.8,42.875 96.7,46.775 C69.1@96.7,50.35
  Bottom Layer w0.8: v2(88.8,48.1) 89.35,48.65 89.35,49.725 v2(92.525,52.9)
3V8_INT: C64.1 C65.1 DA3.5 F2.1 R56.1 R66.2 TP9.1 VD15.2 | length 68.5
  Top Layer w1: R66.2@99.75,41.7 104.45,41.7 105.5,42.75 105.5,45.125 106.4,46.025 C65.1@108,46.025 ; DA3.5@110.075,51.425 110.075,49.75 107.975,47.65 107.975,46.1 108.075,46 C64.1@111.5,46 ; C64.1@111.5,45.975 C64.1@111.5,46 ; F2.1@115.3,46 115.35,46.05 119.225,46.05 121.5,43.775 121.5,41.95 121.125,41.575 VD15.2@121.6,41.575 124.75,41.575 129.425,36.9 129.425,28.325 131.35,26.4 TP9.1@131.35,16.15 R56.1@133.5,16.15 ; F2.1@115.3,46.025 111.5,46.025 C64.1@111.5,46
5V: C38.2 C57.2 C58.1 C62.1 C63.1 C72.1 C73.1 D3.14 DA2.4 DA3.4 DA3.8 DA5.1 DA5.2 DA6.3 DA7.3 HL3.1 HL4.1 L2.2 TP8.1 VD14.2 X7.5 | length 376.1
  Top Layer w0.3: C57.2@102.52,51.195 C57.2@102.525,51.2
  Top Layer w0.5: C57.2@102.465,51.25 C57.2@102.52,51.195 ; C57.2@102.525,51.05 101.625,51.05 100.925,51.75 100.925,56.95 101.825,57.85 110.037,57.85 ; C57.2@102.525,51.2 102.975,51.2 103.42,51.645 DA3.4@104.613,51.645 ; DA3.8@110.025,55.467 DA3.8@110.037,55.455 110.037,57.85 ; HL4.1@114.125,54.5 115.475,54.5 115.525,54.45 ; HL3.1@114.475,52.75 115.225,52.75 115.525,53.05 115.525,54.45 ; 110.037,57.85 114.825,57.85 115.525,57.15 115.525,54.45
  Top Layer w1: DA7.3@69.825,32.811 72.089,32.811 72.925,31.975 72.925,30.575 C73.1@72.975,30.525 ; 74.525,19.625 v3(84.838,19.625) ; v3(85.2,33.25) 86.888,31.562 86.888,30.525 C38.2@86.875,30.525 86.873,30.525 86.873,29.075 ; DA5.1@86.611,54.219 86.619,54.227 88.617,54.227 89.3,54.911 C63.1@89.3,55.929 ; DA5.2@86.611,55.921 86.619,55.929 C63.1@89.3,55.929 ; DA6.3@89.075,73.911 89.08,73.906 93.519,73.906 C72.1@93.525,73.9 99.775,73.9 101.525,72.15 101.525,60.2 ; 90.5,55.95 C63.1@89.3,55.95 C63.1@89.3,55.929 ; 108.875,58.125 108.875,60.15 ; 160.288,30.962 160.288,28.483 DA2.4@160.296,28.475
  Top Layer w1.5: v3(48.075,20.3) 49.975,18.4 56.375,18.4 57.6,19.625 74.525,19.625 74.525,27.4 72.975,28.95 C73.1@72.975,30.525 ; 90.5,55.95 95.85,55.95 96.575,56.675 C62.1@96.575,57.225 96.575,58.825 97.95,60.2 101.525,60.2 117.45,60.2 118.875,58.775 118.875,54.675 120.75,52.8 C58.1@123.275,52.8 127.775,52.8 129,51.575 L2.2@129,47.475 129,46.575 142.3,33.275 157.975,33.275 160.288,30.962
  Bottom Layer w0.65: 7.275,29.875 7.275,40.525 7.7,40.95 VD14.2@8.41,40.95
  Bottom Layer w1: v3(84.838,19.625) 84.838,14.188 87.625,11.4 99.331,11.4 100.606,12.675 X7.5@105.5,12.675 ; v3(85.2,33.25) 85.2,44.4
  Bottom Layer w1.4: C73.1@72.975,30.525 72.975,38 79.375,44.4 85.2,44.4 88.025,44.4 91.175,47.55 91.175,49.1 94.175,52.1 94.175,54.825 C62.1@96.575,57.225
  Bottom Layer w1.5: 7.275,29.875 7.275,23.275 10.175,20.375 24.35,20.375 35.15,9.575 46.1,9.575 48.075,11.55 v3(48.075,20.3)